# Allegro board S071AA-0413-20260427_Power.brd (continued)
## Placement (name value [footprint] x y rotation side) (continued)
NOREF#135  -  []  -23.68 125.63 90 top
NOREF#136  -  []  86.54 183.95 0 top
NOREF#137  -  []  149.88 288.29 0 top
NOREF#138  -  []  174.26 281.18 0 top
NOREF#139  -  []  86.54 199.19 0 top
NOREF#140  -  []  110.16 206.81 0 top
NOREF#141  -  []  153.94 281.18 90 top
NOREF#142  -  []  146.82 216.63 0 top
NOREF#143  -  []  168.16 285.24 0 top
NOREF#144  -  []  86.64 230.12 0 top
NOREF#145  -  []  118.13 149.36 90 top
NOREF#146  -  []  62.37 221.85 90 top
NOREF#147  -  []  177.28 202.09 90 top
NOREF#148  -  []  165.37 91.44 0 top
NOREF#149  -  []  63.02 222.5 0 top
NOREF#150  -  []  38.75 191.37 90 top
NOREF#151  -  []  48.28 283.21 0 top
NOREF#152  -  []  48.28 288.29 0 top
NOREF#153  -  []  144.32 213.53 90 top
NOREF#154  -  []  131.22 224.51 0 top
NOREF#155  -  []  54.09 131.2 0 top
NOREF#156  -  []  316.32 293.63 90 top
NOREF#157  -  []  92.98 283.21 0 top
NOREF#158  -  []  168.16 281.18 90 top
NOREF#159  -  []  62.92 237.29 90 top
NOREF#160  -  []  126.2 172.38 90 top
NOREF#161  -  []  110.16 222.05 0 top
NOREF#162  -  []  45.61 161.15 90 top
NOREF#163  -  []  103.14 286.26 90 top
NOREF#164  -  []  49.07 161.41 90 top
NOREF#165  -  []  148.16 149.01 0 top
NOREF#166  -  []  169.18 283.21 0 top
NOREF#167  -  []  140.99 172.48 90 top
NOREF#168  -  []  39.3 237.29 90 top
NOREF#169  -  []  149.72 209.91 90 top
NOREF#170  -  []  175.28 283.21 0 top
NOREF#171  -  []  181.42 205.92 90 top
NOREF#172  -  []  179.34 286.26 90 top
NOREF#173  -  []  62.92 229.67 90 top
NOREF#174  -  []  121.32 189.63 90 top
NOREF#175  -  []  155.01 213.04 0 top
NOREF#176  -  []  28.69 298.57 0 top
NOREF#177  -  []  91.96 290.32 0 top
NOREF#178  -  []  236.49 88.9 0 top
NOREF#179  -  []  109.61 221.85 90 top
NOREF#180  -  []  110.26 237.74 0 top
NOREF#181  -  []  39.3 229.67 90 top
NOREF#182  -  []  38.75 183.75 90 top
NOREF#183  -  []  110.16 199.19 90 top
NOREF#184  -  []  63.02 214.88 0 top
NOREF#185  -  []  141.72 209.91 0 top
NOREF#186  -  []  62.37 229.47 90 top
NOREF#187  -  []  28.69 298.57 90 top
NOREF#188  -  []  168.16 286.26 90 top
NOREF#189  -  []  85.99 183.75 90 top
NOREF#190  -  []  62.37 237.09 90 top
NOREF#191  -  []  184.17 208.29 90 top
NOREF#192  -  []  121.32 186.63 90 top
NOREF#193  -  []  209.82 286.26 90 top
NOREF#194  -  []  -23.68 303.63 0 top
NOREF#195  -  []  148 214.83 0 top
NOREF#196  -  []  109.61 191.37 90 top
NOREF#197  -  []  119.9 281.18 90 top
NOREF#198  -  []  183.52 207.64 0 top
NOREF#199  -  []  39.3 222.05 90 top
NOREF#200  -  []  144.92 209.91 0 top
NOREF#201  -  []  142.24 210.83 90 top
NOREF#202  -  []  149.72 212.95 0 top
NOREF#203  -  []  110.16 206.81 90 top
NOREF#204  -  []  62.92 199.19 0 top
NOREF#205  -  []  110.16 191.57 90 top
NOREF#206  -  []  63.02 199.64 0 top
NOREF#207  -  []  231.66 286.26 90 top
NOREF#208  -  []  132.72 171.83 0 top
NOREF#209  -  []  155.31 212.6 0 top
NOREF#210  -  []  146.48 211.52 90 top
NOREF#211  -  []  110.16 229.67 90 top
NOREF#212  -  []  177.28 202.09 0 top
NOREF#213  -  []  110.16 222.05 90 top
NOREF#214  -  []  144.12 218.71 0 top
NOREF#215  -  []  237.76 281.18 0 top
NOREF#216  -  []  54.45 130.81 0 top
NOREF#217  -  []  117.68 149.26 0 top
NOREF#218  -  []  205.76 283.21 0 top
NOREF#219  -  []  236.49 48.26 0 top
NOREF#220  -  []  209.82 281.18 90 top
NOREF#221  -  []  62.92 237.29 0 top
NOREF#222  -  []  43.36 154.63 0 top
NOREF#223  -  []  86.54 214.43 90 top
NOREF#224  -  []  150.4 218.03 90 top
NOREF#225  -  []  39.4 222.5 0 top
NOREF#226  -  []  181.42 213.03 90 top
NOREF#227  -  []  172.17 204.52 0 top
NOREF#228  -  []  143.32 209.91 90 top
NOREF#229  -  []  178.22 216.23 0 top
NOREF#230  -  []  86.54 206.81 0 top
NOREF#231  -  []  117.48 148.71 0 top
NOREF#232  -  []  28.69 297.55 90 top
NOREF#233  -  []  204.74 281.18 0 top
NOREF#234  -  []  86.54 222.05 0 top
NOREF#235  -  []  86.64 199.64 0 top
NOREF#236  -  []  141.92 211.13 90 top
NOREF#237  -  []  155.78 149.01 0 top
NOREF#238  -  []  38.75 198.99 90 top
NOREF#239  -  []  41.16 285.24 0 top
NOREF#240  -  []  125.75 172.48 90 top
NOREF#241  -  []  199.66 288.29 0 top
NOREF#242  -  []  140.34 171.83 0 top
NOREF#243  -  []  286.62 112.62 90 top
NOREF#244  -  []  99.08 283.21 0 top
NOREF#245  -  []  148.32 215.13 90 top
NOREF#246  -  []  304.32 293.63 0 top
NOREF#247  -  []  118.13 172.48 90 top
NOREF#248  -  []  183.07 204.52 90 top
NOREF#249  -  []  125.1 148.71 0 top
NOREF#250  -  []  156.21 212.28 90 top
NOREF#251  -  []  173.82 203.02 0 top
NOREF#252  -  []  -23.68 135.63 0 top
NOREF#253  -  []  110.26 192.02 0 top
NOREF#254  -  []  145.22 212.63 0 top
NOREF#255  -  []  86.64 207.26 0 top
NOREF#256  -  []  63.02 192.02 0 top
NOREF#257  -  []  174.32 200.97 90 top
NOREF#258  -  []  178.22 209.12 0 top
NOREF#259  -  []  62.92 206.81 0 top
NOREF#260  -  []  239.03 30.48 0 top
NOREF#261  -  []  41.16 286.26 90 top
NOREF#262  -  []  149.72 212.15 0 top
NOREF#263  -  []  86.54 237.29 0 top
NOREF#264  -  []  143.78 283.21 0 top
NOREF#265  -  []  143.62 212.63 0 top
NOREF#266  -  []  132.92 172.38 0 top
NOREF#267  -  []  109.61 214.23 90 top
NOREF#268  -  []  86.54 237.29 90 top
NOREF#269  -  []  147.52 213.53 90 top
NOREF#270  -  []  141.44 172.38 90 top
NOREF#271  -  []  47.85 161.8 0 top
NOREF#272  -  []  45.06 153.73 90 top
NOREF#273  -  []  181.42 213.03 0 top
NOREF#274  -  []  144.64 213.23 90 top
NOREF#275  -  []  39.4 230.12 0 top
NOREF#276  -  []  156.21 210.75 90 top
NOREF#277  -  []  176.02 209.12 0 top
NOREF#278  -  []  162.83 68.58 0 top
NOREF#279  -  []  156.68 172.38 90 top
NOREF#280  -  []  145.44 213.23 90 top
NOREF#281  -  []  36.17 130.81 0 top
NOREF#282  -  []  155.01 210.75 0 top
NOREF#283  -  []  62.92 229.67 0 top
NOREF#284  -  []  146.12 216.31 90 top
NOREF#285  -  []  146.52 210.55 0 top
NOREF#286  -  []  127.02 283.21 0 top
NOREF#287  -  []  62.92 214.43 90 top
NOREF#288  -  []  140.99 149.11 90 top
NOREF#289  -  []  131.08 286.26 90 top
NOREF#290  -  []  173.82 209.12 0 top
NOREF#291  -  []  86.54 199.19 90 top
NOREF#292  -  []  35.8 130.42 90 top
NOREF#293  -  []  147.62 219.03 0 top
NOREF#294  -  []  110.26 222.5 0 top
NOREF#295  -  []  286.62 214.63 90 top
NOREF#296  -  []  198.64 281.18 90 top
NOREF#297  -  []  150.02 210.23 0 top
NOREF#298  -  []  110.26 207.26 0 top
NOREF#299  -  []  138.72 222.23 0 top
NOREF#300  -  []  126 281.18 0 top
NOREF#301  -  []  173.82 216.23 0 top
NOREF#302  -  []  110.16 191.57 0 top
NOREF#303  -  []  146.12 212.31 90 top
NOREF#304  -  []  277.13 66.04 90 top
NOREF#305  -  []  38.75 214.23 90 top
NOREF#306  -  []  125.1 171.83 0 top
NOREF#307  -  []  141.92 218.33 90 top
NOREF#308  -  []  144.8 214.43 0 top
NOREF#309  -  []  149.32 216.31 90 top
NOREF#310  -  []  39.3 199.19 0 top
NOREF#311  -  []  184.13 215.06 90 top
NOREF#312  -  []  39.3 191.57 0 top
NOREF#313  -  []  155.31 211.84 0 top
NOREF#314  -  []  38.38 130.81 0 top
NOREF#315  -  []  144 214.83 90 top
NOREF#316  -  []  238.78 283.21 0 top
NOREF#317  -  []  155.58 148.46 0 top
NOREF#318  -  []  143.32 216.31 90 top
NOREF#319  -  []  203.47 45.72 90 top
NOREF#320  -  []  236.49 27.94 0 top
NOREF#321  -  []  168.16 290.32 0 top
NOREF#322  -  []  147.84 213.23 90 top
NOREF#323  -  []  143.32 212.95 0 top
NOREF#324  -  []  133.37 172.48 90 top
NOREF#325  -  []  39.4 207.26 0 top
NOREF#326  -  []  148.42 216.63 0 top
NOREF#327  -  []  56.02 130.16 90 top
NOREF#328  -  []  237.76 286.26 0 top
NOREF#329  -  []  286.62 16.51 90 top
NOREF#330  -  []  142.76 285.24 0 top
NOREF#331  -  []  28.69 297.55 0 top
NOREF#332  -  []  103.14 281.18 90 top
NOREF#333  -  []  144.42 219.03 0 top
NOREF#334  -  []  120.92 288.29 0 top
NOREF#335  -  []  142.76 281.18 90 top
NOREF#336  -  []  148.86 281.18 0 top
NOREF#337  -  []  86.54 214.43 0 top
NOREF#338  -  []  38.28 130.36 0 top
NOREF#339  -  []  162.83 48.26 0 top
NOREF#340  -  []  150.02 211.03 0 top
NOREF#341  -  []  162.83 27.94 0 top
NOREF#342  -  []  38.28 130.36 90 top
NOREF#343  -  []  121.32 239.63 90 top
NOREF#344  -  []  141.92 215.13 90 top
NOREF#345  -  []  146.52 212.95 0 top
NOREF#346  -  []  47.85 154.18 0 top
NOREF#347  -  []  136.44 199.53 90 top
NOREF#348  -  []  29.05 298.96 0 top
NOREF#349  -  []  147.2 214.43 0 top
NOREF#350  -  []  146.52 216.31 90 top
NOREF#351  -  []  43.46 161.8 0 top
NOREF#352  -  []  183.48 214.41 0 top
NOREF#353  -  []  141.6 212.03 0 top
NOREF#354  -  []  148.92 219.35 0 top
NOREF#355  -  []  183.07 211.63 90 top
NOREF#356  -  []  109.61 206.61 90 top
NOREF#357  -  []  20.12 299.3 0 top
NOREF#358  -  []  38.75 206.61 90 top
NOREF#359  -  []  148 214.83 90 top
NOREF#360  -  []  97.26 130.73 90 top
NOREF#361  -  []  41.16 290.32 0 top
NOREF#362  -  []  54.09 130.42 90 top
NOREF#363  -  []  91.96 285.24 0 top
NOREF#364  -  []  149.72 211.51 90 top
NOREF#365  -  []  155.31 213.36 0 top
NOREF#366  -  []  149.72 210.71 90 top
NOREF#367  -  []  149.22 219.03 0 top
NOREF#368  -  []  41.16 281.18 90 top
NOREF#369  -  []  232.68 288.29 0 top
NOREF#370  -  []  63.02 184.4 0 top
NOREF#371  -  []  39.3 229.67 0 top
NOREF#372  -  []  110.16 229.67 0 top
NOREF#373  -  []  140.34 148.46 0 top
NOREF#374  -  []  146.82 212.63 0 top
NOREF#375  -  []  110.16 237.29 0 top
NOREF#376  -  []  141.92 213.53 90 top
NOREF#377  -  []  85.99 214.23 90 top
NOREF#378  -  []  29.05 297.94 0 top
NOREF#379  -  []  231.66 290.32 0 top
NOREF#380  -  []  125.3 149.26 0 top
NOREF#381  -  []  131.08 281.18 90 top
NOREF#382  -  []  38.75 221.85 90 top
NOREF#383  -  []  131.54 191.63 90 top
NOREF#384  -  []  142.02 210.23 0 top
NOREF#385  -  []  174.32 203.47 0 top
NOREF#386  -  []  191.08 135.22 0 top
NOREF#387  -  []  148.92 218.71 90 top
NOREF#388  -  []  110.26 199.64 0 top
NOREF#389  -  []  183.72 208.19 0 top
NOREF#390  -  []  39.3 191.57 90 top
NOREF#391  -  []  156.21 213.04 90 top
NOREF#392  -  []  62.92 214.43 0 top
NOREF#393  -  []  86.64 192.02 0 top
NOREF#394  -  []  138.72 222.23 0 top
NOREF#395  -  []  45.06 161.35 90 top
NOREF#396  -  []  39.3 206.81 90 top
NOREF#397  -  []  146.52 216.95 0 top
NOREF#398  -  []  142.24 214.83 90 top
NOREF#399  -  []  148.61 149.11 90 top
NOREF#400  -  []  146.12 209.91 90 top
NOREF#401  -  []  52.34 281.18 90 top
NOREF#402  -  []  39.4 199.64 0 top
NOREF#403  -  []  38.75 237.09 90 top
NOREF#404  -  []  62.37 191.37 90 top
NOREF#405  -  []  132.72 148.71 0 top
NOREF#406  -  []  62.37 206.61 90 top
NOREF#407  -  []  86.64 214.88 0 top
NOREF#408  -  []  156.68 149.01 90 top
NOREF#409  -  []  56.57 130.36 90 top
NOREF#410  -  []  140.54 149.01 0 top
NOREF#411  -  []  47.26 281.18 0 top
NOREF#412  -  []  155.01 212.28 0 top
NOREF#413  -  []  146.52 216.15 0 top
NOREF#414  -  []  141.6 216.43 0 top
NOREF#415  -  []  147.32 218.71 0 top
NOREF#416  -  []  99.08 288.29 0 top
NOREF#417  -  []  173.82 201.42 90 top
NOREF#418  -  []  239.03 50.8 0 top
NOREF#419  -  []  62.37 183.75 90 top
NOREF#420  -  []  142.92 209.91 90 top
NOREF#421  -  []  150.4 218.03 0 top
NOREF#422  -  []  156.23 149.11 90 top
NOREF#423  -  []  239.03 91.44 0 top
NOREF#424  -  []  149.32 209.91 90 top
NOREF#425  -  []  134.32 202.63 90 top
NOREF#426  -  []  172.17 211.63 0 top
NOREF#427  -  []  231.66 281.18 90 top
NOREF#428  -  []  118.58 149.26 90 top
NOREF#429  -  []  92.98 288.29 0 top
NOREF#430  -  []  39.3 214.43 0 top
NOREF#431  -  []  39.3 183.95 90 top
NOREF#432  -  []  49.07 153.79 90 top
NOREF#433  -  []  173.82 216.23 0 top
NOREF#434  -  []  63.02 207.26 0 top
NOREF#435  -  []  39.4 192.02 0 top
NOREF#436  -  []  126.2 149.26 90 top
NOREF#437  -  []  86.54 183.95 90 top
NOREF#438  -  []  109.61 237.09 90 top
NOREF#439  -  []  63.02 230.12 0 top
NOREF#440  -  []  109.61 198.99 90 top
NOREF#441  -  []  145.32 218.71 90 top
NOREF#442  -  []  147.96 171.83 0 top
NOREF#443  -  []  43.36 162.25 0 top
NOREF#444  -  []  134.32 226.63 0 top
NOREF#445  -  []  146.82 210.23 0 top
NOREF#446  -  []  62.92 183.95 90 top
NOREF#447  -  []  52.34 286.26 90 top
NOREF#448  -  []  277.13 45.72 90 top
NOREF#449  -  []  145.22 216.63 0 top
NOREF#450  -  []  121.32 244.63 0 top
NOREF#451  -  []  175.28 288.29 0 top
NOREF#452  -  []  110.16 183.95 90 top
NOREF#453  -  []  95.81 130.73 0 top
NOREF#454  -  []  183.68 214.96 0 top
NOREF#455  -  []  62.92 222.05 0 top
NOREF#456  -  []  146.52 209.91 90 top
NOREF#457  -  []  86.64 184.4 0 top
NOREF#458  -  []  35.8 131.2 0 top
NOREF#459  -  []  165.37 50.8 0 top
NOREF#460  -  []  155.31 211.07 0 top
NOREF#461  -  []  148.64 213.23 90 top
NOREF#462  -  []  142.52 218.71 90 top
NOREF#463  -  []  144.92 215.51 0 top
NOREF#464  -  []  91.96 286.26 90 top
NOREF#465  -  []  146.82 215.83 0 top
NOREF#466  -  []  150.72 218.33 90 top
NOREF#467  -  []  91.96 281.18 90 top
NOREF#468  -  []  110.26 214.88 0 top
NOREF#469  -  []  181.42 205.92 0 top
NOREF#470  -  []  86.54 229.67 90 top
NOREF#471  -  []  125.75 149.36 90 top
NOREF#472  -  []  238.78 288.29 0 top
NOREF#473  -  []  130.32 230.63 0 top
NOREF#474  -  []  144 214.83 0 top
NOREF#475  -  []  145.12 213.53 90 top
NOREF#476  -  []  173.82 209.12 0 top
NOREF#477  -  []  85.99 237.09 90 top
NOREF#478  -  []  199.66 283.21 0 top
NOREF#479  -  []  39.3 183.95 0 top
NOREF#480  -  []  109.61 183.75 90 top
NOREF#481  -  []  148.52 218.71 90 top
NOREF#482  -  []  98.06 286.26 0 top
NOREF#483  -  []  85.99 206.61 90 top
NOREF#484  -  []  63.02 237.74 0 top
NOREF#485  -  []  141.92 216.73 90 top
NOREF#486  -  []  142.52 219.35 0 top
NOREF#487  -  []  136.32 181.63 90 top
NOREF#488  -  []  39.3 237.29 0 top
NOREF#489  -  []  62.92 183.95 0 top
NOREF#490  -  []  56.67 130.81 0 top
NOREF#491  -  []  242.84 286.26 90 top
NOREF#492  -  []  174.26 286.26 0 top
NOREF#493  -  []  156.23 172.48 90 top
NOREF#494  -  []  148.16 172.38 0 top
NOREF#495  -  []  110.26 184.4 0 top
NOREF#496  -  []  110.16 214.43 90 top
NOREF#497  -  []  110.26 230.12 0 top
NOREF#498  -  []  143.32 212.31 90 top
NOREF#499  -  []  39.3 222.05 0 top
NOREF#500  -  []  45.61 153.53 90 top
NOREF#501  -  []  156.21 211.52 90 top
NOREF#502  -  []  179.34 281.18 90 top
NOREF#503  -  []  198.64 286.26 90 top
NOREF#504  -  []  86.64 237.74 0 top
NOREF#505  -  []  262.71 290.83 0 top
NOREF#506  -  []  125.3 172.38 0 top
NOREF#507  -  []  85.99 191.37 90 top
NOREF#508  -  []  148 214.43 0 top
NOREF#509  -  []  172.82 203.82 0 top
NOREF#510  -  []  110.16 214.43 0 top
NOREF#511  -  []  205.76 288.29 0 top
OSC1  OSC25M-S3225-AKER-3.3V  [OSC_3P2X2P5_4P_AKER]  174.92 202.22 180 bottom
R1  470-1-S4  [R0402]  107.71 184.4 180 top
R2  470-1-S4  [R0402]  84.09 184.4 180 top
R3  470-1-S4  [R0402]  60.47 184.4 180 top
R4  470-1-S4  [R0402]  36.85 207.26 180 top
R5  470-1-S4  [R0402]  36.85 199.64 180 top
R6  470-1-S4  [R0402]  36.85 192.02 180 top
R7  470-1-S4  [R0402]  60.47 207.26 180 top
R8  470-1-S4  [R0402]  60.47 199.64 180 top
R9  470-1-S4  [R0402]  60.47 192.02 180 top
R10  470-1-S4  [R0402]  84.09 192.02 180 top
R11  470-1-S4  [R0402]  107.71 192.02 180 top
R12  470-1-S4  [R0402]  84.09 199.64 180 top
R13  470-1-S4  [R0402]  107.71 199.64 180 top
R14  470-1-S4  [R0402]  84.09 207.26 180 top
R15  470-1-S4  [R0402]  107.71 207.26 180 top
R16  470-1-S4  [R0402]  36.85 184.4 180 top
R17  470-1-S4  [R0402]  36.85 214.88 180 top
R18  470-1-S4  [R0402]  60.47 214.88 180 top
R19  470-1-S4  [R0402]  84.09 214.88 180 top
R20  470-1-S4  [R0402]  107.71 214.88 180 top
R21  470-1-S4  [R0402]  36.85 222.5 180 top
R22  470-1-S4  [R0402]  60.47 222.5 180 top
R23  470-1-S4  [R0402]  84.09 222.5 180 top
R24  470-1-S4  [R0402]  107.71 222.5 180 top
R25  470-1-S4  [R0402]  36.85 230.12 180 top
R26  470-1-S4  [R0402]  60.47 230.12 180 top
R27  470-1-S4  [R0402]  84.09 230.12 180 top
R28  470-1-S4  [R0402]  107.71 230.12 180 top
R29  470-1-S4  [R0402]  36.85 237.74 180 top
R30  470-1-S4  [R0402]  60.47 237.74 180 top
R31  470-1-S4  [R0402]  84.09 237.74 180 top
R32  470-1-S4  [R0402]  107.71 237.74 180 top
R33  470-1-S4  [R0402]  118.13 169.93 270 top
R34  470-1-S4  [R0402]  140.99 169.93 270 top
R35  470-1-S4  [R0402]  118.13 146.81 270 top
R36  470-1-S4  [R0402]  140.99 146.56 270 top
R37  470-1-S4  [R0402]  125.75 169.93 270 top
R38  470-1-S4  [R0402]  148.61 169.93 270 top
R39  470-1-S4  [R0402]  125.75 146.81 270 top
R40  470-1-S4  [R0402]  148.61 146.56 270 top
R41  470-1-S4  [R0402]  133.37 169.93 270 top
R42  470-1-S4  [R0402]  156.23 169.93 270 top
R43  470-1-S4  [R0402]  133.37 146.81 270 top
R44  470-1-S4  [R0402]  156.23 146.56 270 top
R45  470-1-S4  [R0402]  184.17 205.74 270 top
R46  470-1-S4  [R0402]  184.13 213.02 270 top
R123  NC/0-5-S8  [R0805]  232.68 293.37 90 bottom
R124  0-5-S8  [R0805]  230.14 293.37 90 bottom
R125  0-5-SA  [R1206]  235.73 293.37 90 bottom
R126  NC/0-5-SA  [R1206]  238.78 293.37 90 bottom
R127  0-5-S8  [R0805]  227.6 293.37 90 bottom
R128  NC/0-5-S8  [R0805]  225.06 293.37 90 bottom
R129  NC/0-5-S8  [R0805]  120.92 293.37 90 bottom
R130  0-5-S8  [R0805]  118.38 293.37 90 bottom
R131  NC/0-5-SA  [R1206]  123.97 293.37 90 bottom
R132  0-5-SA  [R1206]  127.02 293.37 90 bottom
R133  0-5-S8  [R0805]  115.84 293.37 90 bottom
R134  NC/0-5-S8  [R0805]  113.3 293.37 90 bottom
R135  NC/0-5-S8  [R0805]  143.78 293.37 90 bottom
R136  0-5-S8  [R0805]  141.24 293.37 90 bottom
R137  0-5-SA  [R1206]  149.88 293.37 90 bottom
R138  NC/0-5-SA  [R1206]  146.83 293.37 90 bottom
R139  0-5-S8  [R0805]  138.7 293.37 90 bottom
R140  NC/0-5-S8  [R0805]  136.16 293.37 90 bottom
R141  NC/0-5-S8  [R0805]  42.18 293.37 90 bottom
R142  0-5-S8  [R0805]  39.64 293.37 90 bottom
R143  0-5-SA  [R1206]  48.28 293.37 90 bottom
R144  NC/0-5-SA  [R1206]  45.23 293.37 90 bottom
R145  0-5-S8  [R0805]  37.1 293.37 90 bottom
R146  NC/0-5-S8  [R0805]  34.56 293.37 90 bottom
R147  NC/0-5-S8  [R0805]  92.98 293.37 90 bottom
R148  0-5-S8  [R0805]  90.44 293.37 90 bottom
R149  0-5-SA  [R1206]  99.08 293.37 90 bottom
R150  NC/0-5-SA  [R1206]  96.03 293.37 90 bottom
R151  0-5-S8  [R0805]  87.9 293.37 90 bottom
R152  NC/0-5-S8  [R0805]  85.36 293.37 90 bottom
R153  NC/0-5-S8  [R0805]  169.18 293.37 90 bottom
R154  0-5-S8  [R0805]  166.64 293.37 90 bottom
R155  0-5-SA  [R1206]  172.23 293.37 90 bottom
R156  NC/0-5-SA  [R1206]  175.28 293.37 90 bottom
R157  0-5-S8  [R0805]  164.1 293.37 90 bottom
R158  NC/0-5-S8  [R0805]  161.56 293.37 90 bottom
R159  NC/0-5-S8  [R0805]  199.66 293.37 90 bottom
R160  0-5-S8  [R0805]  197.12 293.37 90 bottom
R161  NC/0-5-SA  [R1206]  202.71 293.37 90 bottom
R162  0-5-SA  [R1206]  205.76 293.37 90 bottom
R163  0-5-S8  [R0805]  194.58 293.37 90 bottom
R164  NC/0-5-S8  [R0805]  192.04 293.37 90 bottom
RB1  10K-1-S6  [R0603]  67.07 18.03 270 bottom
RB2  10K-1-S6  [R0603]  67.07 14.48 90 bottom
SB1  SHORT  [DEFAULT_SHORT_SMALL]  259.48 12.18 180 top
SB13  SHORT  [DEFAULT_SHORT_SMALL]  180.58 417.05 0 top
SB14  SHORT  [DEFAULT_SHORT_SMALL]  112.14 11.83 180 top
SB15  SHORT  [DEFAULT_SHORT_SMALL]  33.3 416.93 0 top
SCREW1  FY-V93KHSCREW  [PG_VG93K_F_HALFOUTLINE_FY]  146.32 214.63 0 top
SH3  SHORT  [DEFAULT_SHORT_SMALL]  184.92 204.99 0 bottom
SH4  SHORT  [DEFAULT_SHORT_SMALL]  184.95 203.8 0 bottom
SH5  SHORT  [DEFAULT_SHORT_SMALL]  162.4 212.67 0 bottom
SH6  SHORT  [DEFAULT_SHORT_SMALL]  162.45 211.68 0 bottom
SH7  SHORT  [DEFAULT_SHORT_SMALL]  149.14 198.58 270 bottom
SH8  SHORT  [DEFAULT_SHORT_SMALL]  148.13 198.62 270 bottom
SH9  SHORT  [DEFAULT_SHORT_SMALL]  131.12 212.67 180 bottom
SH10  SHORT  [DEFAULT_SHORT_SMALL]  131.11 213.51 180 bottom
SH11  SHORT  [DEFAULT_SHORT_SMALL]  145.14 232.5 90 bottom
SH12  SHORT  [DEFAULT_SHORT_SMALL]  146.01 232.5 90 bottom
SH13  SHORT  [DEFAULT_SHORT_SMALL]  139.86 232.51 90 bottom
SH14  SHORT  [DEFAULT_SHORT_SMALL]  140.94 232.5 90 bottom
SH15  SHORT  [DEFAULT_SHORT_SMALL]  161.99 218.29 0 bottom
SH16  SHORT  [DEFAULT_SHORT_SMALL]  162.03 219.18 0 bottom
SITE1  FSS0AS071A  [SK_BGA17X17_336P_0P8MM_S071AA]  146.32 214.63 0 top
TP_DPS11  TP01  [TP_040_T]  202.94 279.15 0 top
TP_DPS12  TP01  [TP_040_T]  172.46 279.15 0 top
TP_DPS13  TP01  [TP_040_T]  45.46 279.15 0 top
TP_DPS14  TP01  [TP_040_T]  147.06 279.15 0 top
TP_DPS21  TP01  [TP_040_T]  124.2 279.15 0 top
TP_DPS22  TP01  [TP_040_T]  96.26 279.15 0 top
TP_DPS23  TP01  [TP_040_T]  235.96 279.15 0 top
TR2  0-5-S4  [R0402_UNBGA_V2]  29.48 297.94 0 bottom
TR3  0-5-S4  [R0402_UNBGA_V2]  29.48 298.96 0 bottom
UB1  AT24C04C-SSHM-SO8  [SO8_215X127MM]  72.66 17.53 180 bottom
UHC230  UHC4A  [PG_VG93K_PF_UHC4_G8D230_A34_V2]  35.83 351.79 0 top
UHC430  UHC4B  [PG_VG93K_PF_UHC4_G8D430_B12_V2]  35.83 361.95 0 top
UNK038FY-S135BB14Q-A100  REF-CODE-PCB  [PCB_CODE]  231.41 210.57 0 top
UNK980FY-S071AA-1AH  REF-CODE-PCB  [PCB_CODE]  231.16 205.23 0 top
UT_UP5V1  TP03-D  [TP_060_040]  94 134.87 0 top
UTL1  V93K_UTL  [PG_VG93K_F_G3UTI1]  35.83 16.51 0 top
UTL2  V93K_UTL  [PG_VG93K_F_G1UTI2]  183.15 16.51 0 top
UTL3  V93K_UTL  [PG_VG93K_F_G2UTI3]  256.81 412.75 0 top
UTL4  V93K_UTL  [PG_VG93K_F_G8UTI4]  109.49 412.75 0 top
XC1  0.1U-50-X-S4-MU  [C0402]  72.66 21.08 180 bottom

## Library data of the parts
BDB4-BDB10 BDB13-BDB45 = BD120-3A-S8: User Part Number: PNXXXXXXXXXX; Tolerance: TOL
BGA289-12X12-P0.65 JG-250905AA011 = REF-CODE-SOCKET
C1 = 0.01U-16-X7R-S4-YA: User Part Number: PNXXXXXXXXXX; Tolerance: TOL
C2 = 3.3U-10-X-S4-TDK: User Part Number: PNXXXXXXXXXX; Tolerance: TOL
C3 C4 C50 C51 C56 C58 C62 C64 C68 C70 C74 C76 C81 C82 CB2 CB4 CB6 CB8 = 10U-25-X7R-SA: User Part Number: PNXXXXXXXXXX; Tolerance: TOL
C5 C8 C52 C55 C57 C61 C63 C67 C69 C73 C75 C79 C80 C85 = 22U-16-X-SB: User Part Number: PNXXXXXXXXXX; Tolerance: TOL
C6 C53 C59 C65 C71 C77 C83 = 47U-16-X5R-SB-MU: User Part Number: PNXXXXXXXXXX; Tolerance: TOL
C7 C54 C60 C66 C72 C78 C84 = 100U-10-X5R-SB-MU: User Part Number: PNXXXXXXXXXX; Tolerance: TOL
C9-C49 = 0.1U-16-X-S2-TDK: User Part Number: PNXXXXXXXXXX; Tolerance: TOL
CB1 CB3 CB5 CB7 = 0.1U-25-X-S6: User Part Number: PNXXXXXXXXXX; Tolerance: TOL
CSDPS225 CSDPS229 CSDPS425 CSDPS429 = V93K_CSDPS_DPS32: User Part Number: PNXXXXXXXXXX; Tolerance: TOL
CSDPS226 CSDPS426 = V93K_CSDPS_A: User Part Number: PNXXXXXXXXXX; Tolerance: TOL
D101-D124 D227 D228 D231 D232 D301-D324 D427 D428 D431 D432 = V93K_CH: Tolerance: TOL; User Part Number: PNXXXXXXXXXX
DPS1-DPS3 DPS8 = V93K_DPS: Tolerance: TOL; User Part Number: PNXXXXXXXXXX
FD1-FD16 TP_DPS11-TP_DPS14 TP_DPS21-TP_DPS23 = TP01: Tolerance: TOL; User Part Number: PNXXXXXXXXXX
FSS0AS071A = REF-CODE-CHIP
H1-H4 = M3-HOLE: Tolerance: TOL; User Part Number: PNXXXXXXXXXX
K1-K44 = 2911-05-321-A-V2: Tolerance: TOL; User Part Number: PNXXXXXXXXXX
K45 K46 = UA2-5NJ-A-V3: Tolerance: TOL; User Part Number: PNXXXXXXXXXX
KB1-2-KB1-4 KB1-6-KB1-8 KB2-2-KB2-4 KB2-6-KB2-8 KB3-4 KB3-5 KB3-8 KB4-4 KB4-5 KB4-8 UT_UP5V1 = TP03-D: Tolerance: TOL; User Part Number: PNXXXXXXXXXX
KS1 KS2 = 712D-5-V2: Tolerance: TOL; User Part Number: PNXXXXXXXXXX
KS3 KS4 = 2911-05-321-A: Tolerance: TOL; User Part Number: PNXXXXXXXXXX
LD1-LD46 = LDG-2-S6: Tolerance: TOL; User Part Number: PNXXXXXXXXXX
LDB1 = LDG-2-S8: User Part Number: PNXXXXXXXXXX; Tolerance: TOL
LDB2-LDB5 = LDG-2-S4: Tolerance: TOL; User Part Number: PNXXXXXXXXXX
LOGO1 = LOGO_KT_KSMT
LOGO2 = LOGO_FY_Faraday
LRB1 = 330-1-S6: User Part Number: PNXXXXXXXXXX; Tolerance: TOL
LRB2-LRB5 R1-R46 = 470-1-S4: User Part Number: PNXXXXXXXXXX; Tolerance: TOL
M5 = V93K-TOUCHSENSOR-FY: Tolerance: TOL; User Part Number: PNXXXXXXXXXX
OSC1 = OSC25M-S3225-AKER-3.3V: Tolerance: TOL; User Part Number: PNXXXXXXXXXX
R123 R124 R127-R130 R133-R136 R139-R142 R145-R148 R151-R154 R157-R160 R163 R164 = 0-5-S6: User Part Number: PNXXXXXXXXXX; Tolerance: TOL
R125 R126 R131 R132 R137 R138 R143 R144 R149 R150 R155 R156 R161 R162 = 0-5-SA: User Part Number: PNXXXXXXXXXX; Tolerance: TOL
RB1 RB2 = 10K-1-S6: User Part Number: PNXXXXXXXXXX; Tolerance: TOL
SB1 SB13-SB15 SH3-SH16 = SHORT: User Part Number: PNXXXXXXXXXX; Tolerance: TOL
SCREW1 = FY-V93KHSCREW: Tolerance: TOL; User Part Number: PNXXXXXXXXXX
SITE1 = FSS0AS071A: Tolerance: TOL; User Part Number: PNXXXXXXXXXX
TR2 TR3 = 0-5-S4: User Part Number: PNXXXXXXXXXX; Tolerance: TOL
UB1 = AT24C04C-SSHM-SO8: User Part Number: PNXXXXXXXXXX; Tolerance: TOL
UHC230 = UHC4A: User Part Number: PNXXXXXXXXXX; Tolerance: TOL
UHC430 = UHC4B: User Part Number: PNXXXXXXXXXX; Tolerance: TOL
UNK038FY-S135BB14Q-A100 UNK980FY-S071AA-1AH = REF-CODE-PCB
UTL1-UTL4 = V93K_UTL: User Part Number: PNXXXXXXXXXX; Tolerance: TOL
XC1 = 0.1U-50-X-S4-MU: User Part Number: PNXXXXXXXXXX; Tolerance: TOL

## Footprints (pads in the part's own frame, mm; a bottom-side part is the same pattern mirrored in y, then rotated)
C0201
  rect 0.305x0.356 smd: 1(-0.3,0) 2(0.3,0)
C0402
  custom 0.15x0.15 smd: 1(-0.5,0) 2(0.5,0)
C0603
  rect 0.889x0.889 smd: 1(-0.85,0) 2(0.85,0)
C1206
  rect 1.321x1.829 smd: 1(-1.25,0) 2(1.25,0)
C1210
  rect 1.27x3.048 smd: 1(-1.524,0) 2(1.524,0)
CHIP_CODE
  round 0.051 smd: 1(0,0)
DEFAULT_SHORT_SMALL
  custom 0.07x0.07 smd: 1(-0.5,0) 2(0.5,0)
FB0805
  rect 1.118x1.372 smd: 1(-0.965,0) 2(0.965,0)
FD_040_V2
  round 1.016 smd: 1(0,0)
LED_0603
  rect 0.8x0.8 smd: 1(0.749,0) 2(-0.749,0)
LED_0805
  rect 1.118x1.372 smd: 1(0.95,0) 2(-0.95,0)
